# Altium PCB PCB1.PcbDoc (part 3 of 4) (continued)
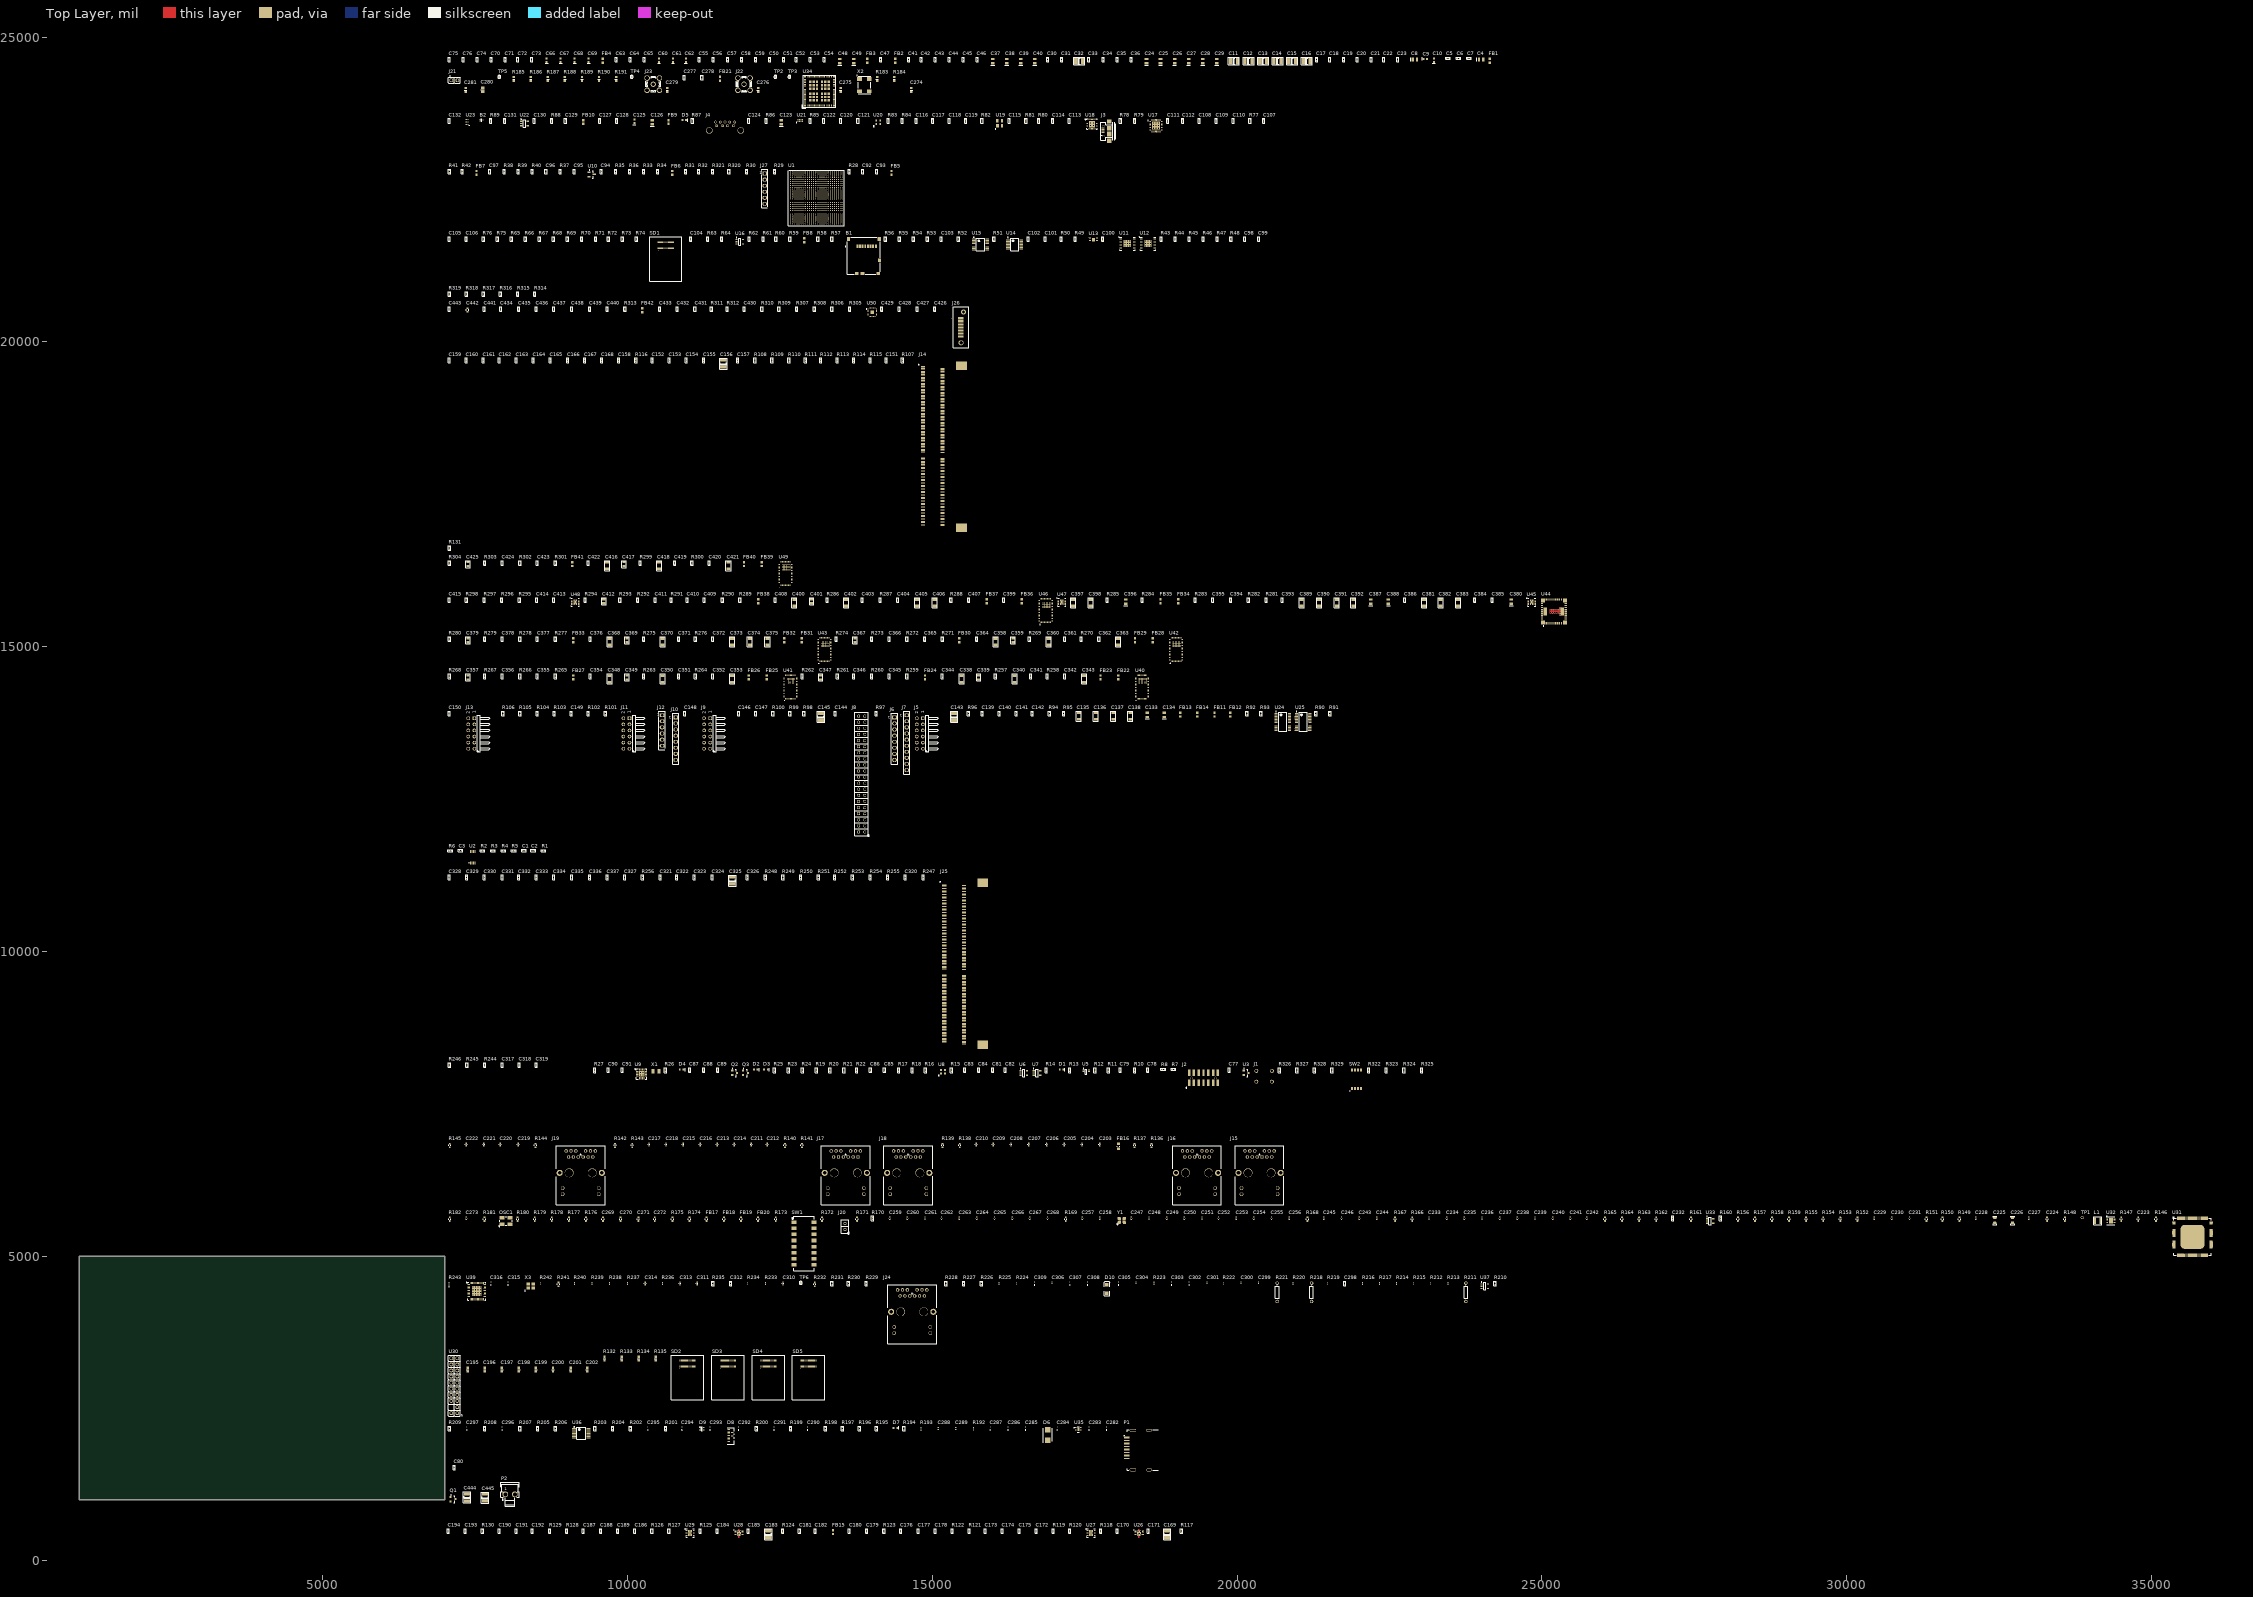
[diagram p0: Top Layer view]
## Part data
B1: library part "SD 502570-0893", "Micro SD card connector,SMT,push-push Micro SD card connector,SMT,push-push"
B2: library part "D TPD2EUSB30DRTR", "Texas Instruments TPD2EUSB30DRTR Dual Bi-Directional TVS Diode Array, 45W peak, 3-Pin SOT"
C1 C2 C44 C45 C46 C53 C59 C76 C77 C78 C80 C81 C82 C83 C84 C85 C86 C87 C88 C89 C92 C94 C98 C99 C100 C101 C102 C103 C104 C107 C108 C109 C110 C111 C112 C113 C114 C117 C119 C120 C121 C122 C124 C128 C129 C130 C131 C132 C139 C140 C141 C142 C151 C157 C158 C159 C160 C161 C162 C163 C164 C165 C166 C167 C168 C180 C194 C232 C298 C312 C317 C318 C319 C320 C326 C327 C328 C329 C330 C331 C332 C333 C334 C335 C336 C337 C344 C345 C346 C354 C355 C356 C364 C365 C366 C376 C377 C378 C384 C385 C408 C410 C411 C422 C423 C424 C426 C427 C428 C429 C434 C435 C436 C437 C438 C440: library part CAPCER0402X7R100N25V_10T, "CAP CER 0.1UF 25V X7R 0402"
C3 C115: library part CAPCER0402, "0402 Package Cap Footprint"
C4 C8 C24 C25 C26 C27 C28 C29 C37 C38 C39 C40 C48 C49 C123 C126 C133 C134 C380 C387 C388 C396: library part CAPELE0905TAN100U6V3_20T, "CAP TANT 100UF 6.3V 20% 0805"
C5 C17 C18 C19 C20 C21 C22 C23 C30 C31 C33 C34 C35 C36 C41 C42 C43 C47 C50 C51 C54 C55 C63 C64 C65 C70 C71 C72 C73 C74 C75 C127 C144 C146 C147 C148 C149 C150 C152 C153 C154 C155 C171 C173 C181 C182 C185 C187 C277 C278 C321 C322 C323 C324 C393 C407 C414: library part CAPCER0402X5R4U710V_10T, "CAP CER 4.7UF 10V X5R 0402"
C6 C7 C52 C57 C58 C93 C96: library part CAPCER0402X5R0U4710V_10T, "CAP CER 0.47UF 10V X5R 0402"
C9 C10 C60 C61 C62 C66 C67 C68 C69 C125: library part CAPELE0603TAN47U6V3_20T, "CAP TANT POLY 47UF 6.3V SMD"
C11 C12 C13 C14 C15 C16 C143 C145 C156 C169 C183 C325 C444 C445: library part CAPCER1210X5R100U16V_20T, "CAP CER 100UF 16V X5R 1210"
C32: library part CAPCER1210X5R220U6V3_20T, "CAP CER 220UF 6.3V X5R 1210"
C56 C116 C118 C172 C186 C386 C399 C413 C439: library part CAPCER0402X5R1U16V_20T, "CAP CER 1UF 16V X5R 0402"
C79 C90 C91 C342 C352 C362 C372 C404 C420: library part CAPCER0402C0G27P50V_5T, "CAP CER 27PF 50V C0G/NP0 0402"
C95: library part CAPCER0402X7R2700P50V_10T, "CAP CER 2700PF 50V X7R 0402"
C97 C105 C106 C174 C175 C176 C177 C178 C188 C189 C190 C191 C192 C341 C351 C361 C371 C403 C419: library part CAPCER0402X5R10U10V_20T, "CAP CER 10UF 10V X5R 0402"
C135 C136 C137 C138 C338 C340 C343 C348 C350 C353 C358 C360 C363 C368 C370 C373 C374 C375 C381 C382 C383 C389 C390 C391 C392 C397 C398 C400 C402 C405 C406 C416 C418 C421: library part CAPCER1206X5R47U25V_20T, "CAP CER 47UF 25V X5R 1206"
C170 C184: library part CAPCER0402X7R1000P50V_10T, "CAP CER 1000PF 50V X7R 0402"
C179 C193 C394 C395 C409 C415: library part CAPCER0402X7R22N50V_10T, "CAP CER 0.022UF 50V X7R 0402"
C195 C197 C199 C201 C274: library part CC0603_100NF_50V_10%_X7R, "Non-polarised capacitor"
C196 C198 C200 C202: library part CC0603_10NF_50V_10%_X7R, "Non-polarised capacitor"
C203 C204 C205 C206 C207 C208 C209 C210 C211 C212 C213 C214 C215 C216 C217 C218 C219 C220 C221 C222 C227 C230 C234 C235 C236 C237 C238 C239 C240 C241 C242 C243 C244 C245 C246 C247 C248 C249 C250 C251 C252 C253 C254 C255 C256 C260 C261 C262 C263 C264 C265 C266 C267 C268 C273 C310 C311 C313 C314: library part CAP1463, "Capacitor"
C223: library part CAP1288, "Capacitor"
C224: library part CAP0088, "Capacitor"
C225 C226: library part CAP0627, "Capacitor"
C228 C231 C233 C259: library part CAP1065, "Capacitor"
C229: library part CAP0278, "Capacitor"
C257 C258: library part CAP0608, "Capacitor"
C269 C270 C271 C272 C442: library part CAP0533, "Capacitor"
C275 C281: library part CC0603_1UF_25V_10%_X7R, "Non-polarised capacitor"
C276 C279: library part CC0603_10PF_50V_5%_NP0, "Non-polarised capacitor"
C280: library part CC0805_10UF_10V_10%_X7R, "Non-polarised capacitor"
C282 C283 C284 C285 C286 C287 C290 C291 C292 C293 C294 C295 C296 C297 C302 C303 C305 C307 C308 C309 C315 C316: "CAP CER 0.1UF 25V 10% X5R 0201"
C288 C289: library part "CAP 0402ZD106", "CAP CER 10UF 10V X5R 0402"
C299 C300 C301 C304 C306: "Multilayer Ceramic Capacitors MLCC - SMD/SMT 0201 2.2uF 10volts *Derate Voltage/Temp"
C339 C347 C349 C357 C359 C367 C369 C379 C401 C412 C417 C425: library part CAPCER0805X5R47N50V_10T, "CAP CER 0.047UF 50V X7R 0805"
C430 C431 C432 C433 C441 C443: library part CAPCER0402X7R10N50V_10T, "CAP CER 10000PF (10NF) 50V X7R 0402"
D1: "LED BLUE DIFFUSED 0603 SMD"
D2 D4 D5: "LED RED DIFFUSED 0603 SMD"
D3 D7: "LED GREEN DIFFUSED 0603 SMD"
D6: library part "D MBRS240LT3G", "DIODE SCHOTTKY 40V 2A SMB"
D8: "TVS DIODE 5.5VWM 15SON"
D9: library part "D TPD4E001DRLR", "Low-Capacitance 4-Channel +/-15-kV ESD Protection Array for High-Speed Data Interfaces"
D10: "Typical RED, GREEN, YELLOW, AMBER GaAs LED"
FB1 FB2 FB3 FB4 FB5 FB6 FB7 FB8 FB9 FB10 FB11 FB12 FB13 FB14 FB15 FB21 FB22 FB23 FB24 FB25 FB26 FB27 FB28 FB29 FB30 FB31 FB32 FB33 FB34 FB35 FB36 FB37 FB38 FB39 FB40 FB41 FB42: "FERRITE BEAD 220 OHM 0603 1LN"
FB16: library part IND1162
FB17 FB18 FB19 FB20: library part IND1313
J1: "SWITCH TACTILE SPST-NO 0.05A 24V"
J2: "CONN HEADER 14POS 2MM VERT SMD"
J3: "CONN RCPT USB MICRO B R/A SMT"
J4: "USB 3.0 RA REC TH TYPE A"
J5 J9 J11 J13: "CONN RCPT .100\" 12PS DL R/A TIN"
J6 J10: library part M20-7820842, "08-WAY SIL VERT SOCKET L/FREE"
J7: library part M20-7821046, "10-WAY SIL VERT SOCKET L/FREE"
J8: "CONN HEADER 40POS .100\" SGL GOLD"
J12 J27: library part M20-7820646, "06-WAY SIL VERT SOCKET L/FREE"
J14 J25: "DDR4 SODIMM 260P 5.2H STD"
J15 J16 J17 J18 J19 J24: library part "CON RJ-45 RJMG2012211A0FR", "CON RJ-45 RJMG2012211A0FR"
J20: library part "Header 1x2", "CONN HEADER 2POS .100\" SGL GOLD"
J21: library part COMATEL_385.0358.1.02.400, "2 Mini Wire-Wrap Contact Strip Header"
J22 J23: library part HUBER-SUHNER_82_SMA-50-0-41/133_NE
J26: "CONN HEADER 7POS VERT SMD 15GOLD"
L1: library part IND1027
OSC1: library part DSC1101B12-125.0000, "OSC MEMS 125.000MHZ CMOS SMD"
P1: "CONN RCPT 20POS UDI R/A SMD"
P2: "Connector 2 Male"
Q1 Q2 Q3: "MOSFET N-CH 50V 200MA SOT23-3"
R1 R7 R36 R40 R107 R116 R117 R118 R124 R125 R246 R247 R256 R262 R268 R274 R280 R294 R304: "RES SMD 100 OHM 1% 1/10W 0402"
R2 R3 R4 R5 R14 R18 R21 R22 R26 R51 R52 R53 R54 R56 R60 R61 R74 R84 R85 R88 R122 R123 R129 R130 R160 R210 R245 R282 R290 R298 R307 R308 R311 R312: "RES SMD 10K OHM 0.5% 1/16W 0402"
R6 R29 R32 R33 R34 R35 R39 R41 R76 R101 R102 R103 R104 R105 R106 R170 R244 R296 R310: "RES SMD 0402 Footprint"
R8 R10 R12 R16 R19 R20 R31 R43 R44 R45 R46 R47 R48 R55 R62 R64 R80 R94 R95 R97 R108 R109 R110 R111 R112 R113 R114 R115 R248 R249 R250 R251 R252 R253 R254 R255 R259 R265 R271 R277 R289 R301 R322 R323 R324 R325: "RES SMD 4.7K OHM 1% 1/10W 0402"
R11 R75 R314 R315 R316 R317 R318 R319: "RES SMD 22 OHM 1% 1/10W 0402"
R13 R23 R24 R25 R86 R131 R196: "RES SMD 240 OHM 1% 1/10W 0402"
R15 R83: "RES SMD 8.06K OHM 1% 1/10W 0402"
R17 R57 R82: "RES SMD 40.2 OHM 1% 1/10W 0402"
R27: "RES SMD 4.7M OHM 5% 1/16W 0402"
R28: "RES SMD 1K OHM 1% 1/10W 0402"
R30 R42 R58 R59 R77 R81 R89 R92 R93 R200 R235 R305 R309 R320 R321: "RES SMD 0 OHM JUMPER 1/10W 0402"
R37 R38: "RES SMD 20.5K OHM 1% 1/10W 0402"
R49 R50: "RES SMD 2K OHM 1% 1/16W 0402"
R63 R326 R327 R328 R329: "RES SMD 499 OHM 1% 1/16W 0402"
R65 R66 R67 R68 R69 R70 R71 R72 R73 R79 R291: "RES SMD 47K OHM 1% 1/10W 0402"
R78 R292: "RES SMD 24K OHM 1% 1/10W 0402"
R87: "RES SMD 191 OHM 1% 1/10W 0402"
R90 R91: "RES SMD 2.21K OHM 1% 1/10W 0402"
R96 R98 R99 R100 R198 R205 R207 R208 R226 R227 R228 R229 R230 R231 R297: "RES SMD 0 OHM JUMPER 1/16W 0402"
R119 R120 R126 R127 R199 R206 R209 R258 R261 R264 R267 R270 R273 R276 R279 R283 R287 R293 R300 R303: "RES SMD 100K OHM 1% 1/5W 0402"
R121 R128 R295: "RES SMD 40.2K OHM 1% 1/10W 0402"
R132 R133 R134 R135: library part R0603_51K_1%_0.1W_100PPM, "Resistor - 1%"
R136 R137 R138 R139 R140 R141 R142 R143 R144 R145 R232 R241: library part RSMT0166
R146: library part RSMT1021
R147 R156 R157 R158 R159 R162 R163 R164 R166 R180: library part RSMT0139
R148: library part RES1562
R149: library part RSMT0556
R150 R151 R152 R153 R154 R155 R167 R181: library part RSMT0454
R161: library part RES1665
R165 R172: library part RSMT0713
R168 R171 R182: library part RSMT0001
R169: library part RSMT0277
R173 R174 R175 R176 R177 R178 R179: library part RES1052
R183 R184: library part R0603_4K7_1%_0.1W_100PPM, "Resistor - 1%"
R185 R186 R187 R188 R189 R190 R191: library part R0603_10K_0.1%_0.063W_10PPM, "Resistor - 0.1%"
R192: "RES SMD 18.2K OHM 1% 1/16W 0402"
R193: "RES SMD 4.02K OHM 1% 1/16W 0402"
R194 R195: "RES SMD 1M OHM 1% 1/16W 0402"
R197: "RES SMD 10 OHM 1% 1/16W 0402"
R201: "RES SMD 2.49K OHM 1% 1/10W 0402"
R202: "RES SMD 1.5K OHM 1% 1/16W 0402"
R203 R204: "RES SMD 49.9 OHM 1% 1/16W 0402"
R211 R218 R221: "Resistor"
R212 R215 R216 R219 R220 R222 R225 R234: "RES 2.49K OHM 0201 1% 1/20W"
R213 R214 R217 R224 R233: "RES 5.76K OHM 0201 1% 1/20W"
R223: "VISHAY - CRCW0201240RFNED - RES, THICK FILM, 240R, 1%, 0.05W, 0201"
R236 R237 R238 R239 R240 R242: "RES 2.21K OHM 0201 1% 1/20W"
R243: "RES 11.0K OHM 0201 1% 1/20W"
R257 R263 R269 R275 R286 R299: "RES SMD 10 OHM 1% 1/10W 0402"
R260 R266: "RES SMD 165K OHM 1% 1/10W 0402"
R272 R278 R302: "RES SMD 750K OHM 1% 1/10W 0402"
R281: "RES SMD 26.1K OHM 1% 1/10W 0402"
R284: "RES SMD 316 OHM 1% 1/16W 0402"
R285: "RES SMD 90.9K OHM 1% 1/10W 0402"
R288: "RES SMD 14K OHM 1% 1/10W 0402"
R306: "RES SMD 500 OHM 0.1% 1/20W 0402"
R313: "RES SMD 2 OHM 1% 1/16W 0402"
SD1 SD2 SD3 SD4 SD5: "Connector, eMMC"
SW1: library part "Switch DIP 8 Pos", "Switch DIP SPST 8POS SMD"
SW2: "SWITCH SLIDE DIP SPST 25MA 24V"
TP1: library part "TEST PAD TH 51X36", "Test Pad TH 51X36"
TP2 TP3 TP4 TP5 TP6: library part "Test Point", "Test Point"
U1: "IC FPGA 252 I/O 784FCBGA - XILINX ZYNQ ULTRASCALE+"
U2: "IC REDRIVER I2C 1CH 8TSSOP"
U3: "DIODE SCHOTTKY 40V 500MA SOT23-3"
U5: "Single-Bit Dual-Supply Bus Transceiver with Configurable Voltage Translation and 3-State Outputs, DCK0006A, LARGE T&R"
U6 U7 U16 U22 U33 U37: "Single 2-Input Positive-AND Gate, DBV0005A, LARGE T&R"
U8: "OSC MEMS 33.333MHZ CMOS SMD"
U9: "IC SUPERVISORY CIRC DL 16TQFN"
U10: "IC VREF SERIES 1.25V SOT23-3"
U11 U12: "IC FLASH 256MBIT 108MHZ 8VPDFN"
U13: "IC EEPROM 2KBIT 1MHZ 8UDFN"
U14: "IC I2C SW 2CH W/RESET 14TSSOP"
U15: "IC I/O EXPANDER I2C 8B 16TSSOP"
U17 U19: "IC TXRX USB 2.0 FLEXPWR 32QFN"
U18: "Single-Chip USB to UART Bridge, 4 Dig I/O Pins, Internal Oscillator, 1024 Bytes EEPROM, -40 to 85 degC, 24-pin QFN"
U20: "OSC MEMS 24.000MHZ CMOS SMD"
U21: "IC SW CURR LIMIT HI SIDE 8-MSOP"
U23: "TVS DIODE 5.5VWM 14VC 10SON"
U24 U25: "Low-Voltage 16-Bit I2C and SMBus I/O Expander, 16 Outputs, 1.65 to 5.5 V, -40 to 85 degC, 24-pin TSSOP (PW), Green (RoHS & no Sb/Br)"
U26 U28: "IC SINK/SOURCE DDR REG 10-SON"
U27 U29 U45 U47 U48: "IC REG LINEAR POS ADJ 1A 10TDFN"
U30: "GC-TPM-rev-20"
U31: library part KSZ9477S_TQFP128, "IC, 7-Port Gigabit Ethernet Switch with 2 RGMII / MII / RMII Interfaces, TQFP128"
U32: "4MHz PWM 3A Buck Regulator with HyperLight Load and Power Good"
U34: "MODULE WIFI WILINK"
U35: "IC REG LDO ADJ 0.5A 8TDFN"
U36: "IC DRVR/RCVR3.3V LVDS HS 14TSSOP"
U39: "IC ETHERNET PHY 48VQFN"
U40 U41 U42 U43 U46 U49: "DC/DC CONVERTER 0.6-4.9V 29W"
U44: "DC/DC CONVERTER 0.6-5.5V 55W"
U50: "IC CLOCK GENERATOR 24LGA"
X1: "CRYSTAL 32.768KHZ 12.5PF SMD"
X2: library part "OSC_32.7688MHZ_RAKON_LF SPXO019203", "Oscillator 4 pins 1=E 2=GND 3=OUT 4=+Vs"
X3: "CRYSTAL 25.0000MHZ 18PF SMD"
Y1: "Crystal 25MHz 4 pins 3225"

## Via types
v1: diameter 19.68, hole 7.87, Top Layer to Bottom Layer, 119 vias
v2: diameter 23.62, hole 7.87, Top Layer to Bottom Layer, 96 vias
v3: diameter 23.62, hole 11.81, Top Layer to Bottom Layer, 14 vias
v4: diameter 19.68, hole 11.81, Top Layer to Bottom Layer, 10 vias

## Nets (pads, with @x,y where several pads share a name; then routed paths per layer and width w, separated by ;. In a path a pad name is that pad's centre, name@x,y a point inside that pad or via, vN(x,y) a via of type N, cw(c..) or ccw(c..) an arc to the next point about the centre after c; other vN are vias at no path point)
1V2_ETH: C224.2 C225.2 C226.2 C227.2 C259.2 C260.2 C261.2 C262.2 C263.2 C264.2 C265.2 C266.2 C267.2 C268.2 FB17.1 FB20.1 L1.2 R148.2 TP1.1 U31.11 U31.23 U31.45 U31.56 U31.66 U31.70 U31.87 U31.104 U31.110 U32.5
1V2OUT: L1.1 U32.1 U32.2
1V8_WL: C274.2 C275.2 C278.2 FB21.2 R185.2 R186.2 R187.2 R188.2 R189.2 R190.2 R191.2 U34.38 X2.1 X2.4
2V5_ETH: C414.2 FB18.1 FB19.1 R170.2 R295.2 U48.9 U48.10
3.3V_PGOOD: R283.1 R297.1 U42.38 U44.8
3V3_GPIO: C133.1 C136.2 C144.2 C145.2 C148.2 C149.2 C150.2 FB11.2 FB13.2 J5.11 J5.12 J8.1 J8.17 J9.11 J9.12 J11.11 J11.12 J13.11 J13.12 R96.1 R97.2 R98.2 R99.2
5V_GPIO: C134.1 C138.2 C143.2 FB12.2 FB14.2 J8.2 J8.4 R100.2
+1.0V: C299.1 C301.1 C303.2 C305.1 U39.6 U39.24 U39.31 U39.42
+2.5V: C304.2 C309.1 U39.3 U39.9
+3.3V: B1.4 C37.1 C41.1 C66.1 C67.1 C68.1 C70.1 C71.1 C72.1 C82.1 C86.1 C96.1 C103.1 C106.2 C111.2 C112.2 C116.1 C117.1 C118.1 C119.1 C121.1 C135.2 C139.2 C140.2 C141.2 C142.2 C169.2 C171.2 C172.2 C183.2 C185.2 C186.2 C195.2 C196.2 C197.2 C198.2 C199.2 C200.2 C201.2 C202.2 C223.2 C232.1 C254.2 C255.2 C256.2 C273.2 C280.1 C281.1 C292.2 C293.2 C294.2 C295.2 C338.2 C339.2 C348.2 C349.2 C358.2 C359.2 C368.2 C369.2 C386.2 C387.1 C388.1 C389.2 C390.2 C391.2 C392.2 C399.2 C400.2 C401.2 C413.2 C416.2 C417.2 D8.13 D8.15 D9.5 D9.6 FB11.1 FB13.1 J20.1 J21.1 OSC1.6 R19.1 R20.1 R23.1 R24.1 R25.2 R55.2 R62.2 R63.1 R80.1 R84.1 R86.1 R90.2 R91.2 R93.1 R94.2 R95.2 R119.2 R120.2 R122.2 R126.2 R127.2 R129.2 R132.2 R133.2 R134.2 R135.2 R136.2 R137.2 R138.2 R139.2 R140.2 R141.2 R142.2 R143.2 R144.2 R145.2 R146.2 R147.2 R160.2 R162.1 R163.1 R164.1 R165.1 R166.1 R180.2 R196.1 R201.2 R209.1 R223.1 R232.2 R241.2 R257.2 R261.2 R263.2 R267.2 R269.2 R273.2 R275.2 R279.2 R283.2 R286.2 R293.2 R296.2 R299.2 R303.2 SD1.22 SD1.23 SD2.20 SD2.21 SD2.22 SD2.23 SD3.20 SD3.21 SD3.22 SD3.23 SD4.20 SD4.21 SD4.22 SD4.23 SD5.20 SD5.21 SD5.22 SD5.23 SW1.16 U1.AA14 U1.AD13 U1.B12 U1.C15 U1.E11 U1.F14 U1.H20 U1.L19 U5.1 U9.1 U10.1 U17.20 U17.21 U18.5 U18.6 U18.7 U20.4 U24.2 U24.24 U25.2 U25.24 U26.10 U27.1 U27.2 U27.3 U28.10 U29.1 U29.2 U29.3 U30.9 U30.15 U31.61 U31.68 U31.99 U32.10 U32.11 U33.5 U36.14 U40.28 U40.29 U40.30 U40.31 U41.28 U41.29 U41.30 U41.31 U42.28 U42.29 U42.30 U42.31 U43.28 U43.29 U43.30 U43.31 U44.27 U44.34 U44.35 U44.36 U44.37 U44.38 U44.41 U45.1 U45.2 U45.3 U46.28 U46.29 U46.30 U46.31 U47.1 U47.2 U47.3 U48.1 U48.2 U48.3 U49.28 U49.29 U49.30 U49.31
+3.3VDP: C288.2 C289.2 C290.2 D6.1 P1.20 R192.2
+5.0V: C122.2 C285.2 C396.1 C398.2 FB34.2 FB35.2 U21.7 U35.1 U35.3
+MGTRAVCC: C55.1 C56.2 C57.2 C58.2 C59.2 C421.2 FB4.1 FB39.2 FB40.2 FB41.2
+MGTRAVCC_FB: C74.1 FB4.2 U1.B22 U1.D22
+MGTRAVTT: C75.1 C76.2 C393.2 FB2.1 R281.2 U45.9 U45.10
+MGTRAVTT_FB: C47.1 FB2.2 U1.A23 U1.C23 U1.D25 U1.E23
+PS_VBATT: C49.1 C54.1 U1.Y18
+SYSMON_VREF: R42.1 U10.2
+SYSMON_VREFP: C94.1 C97.2 R41.1 R42.2 U1.T13
+USB_5V0: C128.1 FB9.2 J4.1
+USB_OTG_VBUS: C113.1 R85.2 U17.22
+USB_VB: C123.1 C124.1 C125.1 C126.1 C127.2 FB9.1 R85.1 U21.6 U21.8
+VCC_PSDDR_PLL: C4.1 C5.1 C6.2 C7.2 FB1.2 U1.U16 U1.U18
+VCC_PSINTFP: C8.1 C9.1 C21.1 C24.1 C25.1 C26.1 C27.1 C30.1 C31.1 C373.2 C374.2 C375.2 FB31.2 FB32.2 FB33.2 U1.AA15 U1.AA16 U1.AA17 U1.AA18 U1.AA20 U1.AA21 U1.AB16 U1.K10 U1.L10 U1.L11 U1.L12 U1.M9 U1.M10 U1.M11 U1.M12 U1.V16 U1.V17 U1.V18 U1.W15 U1.W16 U1.W17 U1.Y15 U1.Y17 U1.Y19
+VCC_PSPLL: C38.1 C42.1 C407.2 R288.2 U1.T16 U1.T17 U1.T18 U47.9 U47.10
+VCCADC: C92.1 C93.1 FB5.1 U1.P12
+VCCAUX: C1.2 C10.1 C22.1 C23.1 C28.1 C29.1 C32.2 C33.1 C34.1 C35.1 C36.1 C69.1 C73.1 C81.1 C83.1 C84.1 C85.1 C98.1 C99.1 C100.1 C101.2 C102.1 C104.1 C105.2 C107.2 C110.2 C114.2 C132.1 C277.2 C298.1 C300.2 C302.1 C306.1 C307.1 C308.1 C405.2 C406.2 FB1.1 FB3.1 FB5.2 FB21.1 FB36.2 FB37.2 FB38.2 FB42.1 R2.2 R3.2 R8.1 R10.2 R12.2 R14.1 R15.2 R16.1 R21.1 R22.1 R26.1 R28.1 R33.1 R34.1 R43.1 R44.1 R45.1 R46.1 R47.1 R48.1 R49.2 R50.2 R51.1 R52.1 R53.1 R54.1 R56.1 R60.1 R61.2 R65.2 R66.2 R67.2 R68.2 R69.2 R70.2 R71.2 R72.2 R73.2 R74.2 R77.2 R88.2 R210.2 R211.2 R213.1 R214.2 R217.1 R218.2 R221.2 R224.2 R233.1 R236.1 R322.2 R323.2 R324.2 R325.2 SD1.20 SD1.21 U1.AB17 U1.AC10 U1.AE16 U1.AG12 U1.AG17 U1.D18 U1.G17 U1.M13 U1.M14 U1.M15 U1.M16 U1.M17 U1.N16 U1.P18 U1.U19 U1.U20 U1.V19 U1.W19 U2.1 U3.1 U5.6 U6.5 U7.5 U8.4 U11.8 U12.8 U13.8 U14.14 U15.16 U16.5 U17.8 U17.11 U17.14 U17.32 U22.5 U37.5 U39.13 U39.19 U39.30 U39.41 U39.48
+VCCINT: C11.2 C12.2 C13.2 C14.2 C15.2 C16.2 C17.2 C18.2 C19.2 C20.2 C363.2 FB28.2 FB29.2 FB30.2 R30.1 U1.N11 U1.N13 U1.N15 U1.P10 U1.P14 U1.P15 U1.R10 U1.R11 U1.R14 U1.T11 U1.T15 U1.U10 U1.U14 U1.U15 U1.V10 U1.V11 U1.V12 U1.V14
+VCCO_HP_64: C60.1 C61.1 C62.1 C63.1 C64.1 C65.1 C188.2 C189.2 C320.2 C321.2 C322.2 C323.2 C324.2 C325.2 C328.2 C329.2 C330.2 C331.2 C332.2 C333.2 C334.2 C335.2 C336.2 C337.2 C353.2 FB25.2 FB26.2 FB27.2 J25.111 J25.112 J25.117 J25.118 J25.123 J25.124 J25.129 J25.130 J25.135 J25.136 J25.141 J25.142 J25.147 J25.148 J25.153 J25.154 J25.159 J25.160 J25.163 R124.2 R245.2 R247.2 R253.2 R254.2 R255.2 U1.AC5 U1.AD8 U1.AG7 U1.B7 U1.D3 U1.E6 U1.H5 U1.J3 U1.L4 U28.2
+VCCO_PSADC: C48.1 C50.1 C51.1 C52.2 C53.2 FB3.2 U1.Y20
AGND: C395.1 R284.2 R285.2 U44.2 U44.23 U44.29
AVDDH2V5: C247.2 C248.2 C249.2 C250.2 C251.2 C252.2 C253.2 C271.2 FB19.2 U31.10 U31.22 U31.33 U31.44 U31.111 U31.122 U31.128
AVDDL1V2: C233.2 C234.2 C235.2 C236.2 C237.2 C238.2 C239.2 C240.2 C241.2 C242.2 C272.2 FB20.2 U31.3 U31.14 U31.19 U31.30 U31.36 U31.41 U31.114 U31.119 U31.124
BT_EN_SOC: R184.2 U1.AB10 U34.41
BT_HCI_CTS: U1.Y9 U34.51
BT_HCI_RTS: U1.AA8 U34.50
BT_HCI_RX: U1.W10 U34.53
BT_HCI_TX: U1.Y10 U34.52
CC_SCL: R309.1 U14.6
CC_SDA: R305.1 U14.5
DDR4_DIMM_PL_VDDQ_GOOD: R267.1 U41.39
DDR4_DIMM_VDDQ: C39.1 C40.1 C43.1 C44.2 C45.2 C46.2 C151.2 C152.2 C153.2 C154.2 C155.2 C156.2 C159.2 C160.2 C161.2 C162.2 C163.2 C164.2 C165.2 C166.2 C167.2 C168.2 C174.2 C175.2 C343.2 FB22.2 FB23.2 FB24.2 J14.111 J14.112 J14.117 J14.118 J14.123 J14.124 J14.129 J14.130 J14.135 J14.136 J14.141 J14.142 J14.147 J14.148 J14.153 J14.154 J14.159 J14.160 J14.163 R107.2 R113.2 R114.2 R115.2 R117.2 U1.AB22 U1.AD23 U1.AF24 U1.P23 U1.T24 U1.V25 U1.Y26 U26.2
DDR4_DIMM_VDDQ_GOOD: R261.1 U40.39
DDR4_SODIMM_A0: J14.144 U1.W28
DDR4_SODIMM_A1: J14.133 U1.Y28
DDR4_SODIMM_A2: J14.132 U1.AB28
DDR4_SODIMM_A3: J14.131 U1.AA28
DDR4_SODIMM_A4: J14.128 U1.Y27
DDR4_SODIMM_A5: J14.126 U1.AA27
DDR4_SODIMM_A6: J14.127 U1.Y22
DDR4_SODIMM_A7: J14.122 U1.AA23
DDR4_SODIMM_A8: J14.125 U1.AA22
DDR4_SODIMM_A9: J14.121 U1.AB23
DDR4_SODIMM_A10: J14.146 U1.AA25
DDR4_SODIMM_A11: J14.120 U1.AA26
DDR4_SODIMM_A12: J14.119 U1.AB25
DDR4_SODIMM_A13: J14.158 U1.AB26
DDR4_SODIMM_ACT_B: J14.114 U1.Y23
DDR4_SODIMM_ALERT_B: J14.116 U1.U25
DDR4_SODIMM_BA0: J14.150 U1.V23
DDR4_SODIMM_BA1: J14.145 U1.W22
DDR4_SODIMM_BG0: J14.115 U1.W24
DDR4_SODIMM_BG1: J14.113 U1.V22
DDR4_SODIMM_CAS_B: J14.156 U1.AC24
DDR4_SODIMM_CB0: J14.92 U1.T28
DDR4_SODIMM_CB1: J14.91 U1.R28
DDR4_SODIMM_CB2: J14.101 U1.P28
DDR4_SODIMM_CB3: J14.105 U1.P27
DDR4_SODIMM_CB4: J14.88 U1.P26
DDR4_SODIMM_CB5: J14.87 U1.R25
DDR4_SODIMM_CB6: J14.100 U1.P25
DDR4_SODIMM_CB7: J14.104 U1.T25
DDR4_SODIMM_CK0_C: J14.139 U1.W26
DDR4_SODIMM_CK0_T: J14.137 U1.W25
DDR4_SODIMM_CK1_C: J14.140 U1.Y25
DDR4_SODIMM_CK1_T: J14.138 U1.Y24
DDR4_SODIMM_CKE0: J14.109 R108.1 U1.V28
DDR4_SODIMM_CKE1: J14.110 R109.1 U1.V27
DDR4_SODIMM_CS0_B: J14.149 U1.W27
DDR4_SODIMM_CS1_B: J14.157 U1.V26
DDR4_SODIMM_CS2_B: J14.162 R115.1
DDR4_SODIMM_CS3_B: J14.165 R114.1
DDR4_SODIMM_DM0_B: J14.12 U1.AG20
DDR4_SODIMM_DM1_B: J14.33 U1.AE23
DDR4_SODIMM_DM2_B: J14.54 U1.AE25
DDR4_SODIMM_DM3_B: J14.75 U1.AE28
DDR4_SODIMM_DM4_B: J14.178 U1.R23
DDR4_SODIMM_DM5_B: J14.199 U1.H23
DDR4_SODIMM_DM6_B: J14.220 U1.L27
DDR4_SODIMM_DM7_B: J14.241 U1.H26
DDR4_SODIMM_DM8_B: J14.96 U1.T26
DDR4_SODIMM_DQ0: J14.8 U1.AD21
DDR4_SODIMM_DQ1: J14.7 U1.AE20
DDR4_SODIMM_DQ2: J14.20 U1.AD20
DDR4_SODIMM_DQ3: J14.21 U1.AF20
DDR4_SODIMM_DQ4: J14.4 U1.AH21
DDR4_SODIMM_DQ5: J14.3 U1.AH20
DDR4_SODIMM_DQ6: J14.16 U1.AH19
DDR4_SODIMM_DQ7: J14.17 U1.AG19
DDR4_SODIMM_DQ8: J14.28 U1.AF22
DDR4_SODIMM_DQ9: J14.29 U1.AH22
DDR4_SODIMM_DQ10: J14.41 U1.AE22
DDR4_SODIMM_DQ11: J14.42 U1.AD22
DDR4_SODIMM_DQ12: J14.24 U1.AH23
DDR4_SODIMM_DQ13: J14.25 U1.AH24
DDR4_SODIMM_DQ14: J14.38 U1.AE24
DDR4_SODIMM_DQ15: J14.37 U1.AG24
DDR4_SODIMM_DQ16: J14.50 U1.AC26
DDR4_SODIMM_DQ17: J14.49 U1.AD26
DDR4_SODIMM_DQ18: J14.62 U1.AD25
DDR4_SODIMM_DQ19: J14.63 U1.AD24
DDR4_SODIMM_DQ20: J14.46 U1.AG26
DDR4_SODIMM_DQ21: J14.45 U1.AH25
DDR4_SODIMM_DQ22: J14.58 U1.AH26
DDR4_SODIMM_DQ23: J14.59 U1.AG25
DDR4_SODIMM_DQ24: J14.70 U1.AH27
DDR4_SODIMM_DQ25: J14.71 U1.AH28
DDR4_SODIMM_DQ26: J14.83 U1.AF28
DDR4_SODIMM_DQ27: J14.84 U1.AG28
DDR4_SODIMM_DQ28: J14.66 U1.AC27
DDR4_SODIMM_DQ29: J14.67 U1.AD27
DDR4_SODIMM_DQ30: J14.79 U1.AD28
DDR4_SODIMM_DQ31: J14.80 U1.AC28
DDR4_SODIMM_DQ32: J14.174 U1.T22
DDR4_SODIMM_DQ33: J14.173 U1.R22
DDR4_SODIMM_DQ34: J14.187 U1.P22
DDR4_SODIMM_DQ35: J14.186 U1.N22
DDR4_SODIMM_DQ36: J14.170 U1.T23
DDR4_SODIMM_DQ37: J14.169 U1.P24
DDR4_SODIMM_DQ38: J14.183 U1.R24
DDR4_SODIMM_DQ39: J14.182 U1.N24
DDR4_SODIMM_DQ40: J14.195 U1.H24
DDR4_SODIMM_DQ41: J14.194 U1.J24
DDR4_SODIMM_DQ42: J14.207 U1.M24
DDR4_SODIMM_DQ43: J14.208 U1.K24
DDR4_SODIMM_DQ44: J14.191 U1.J22
DDR4_SODIMM_DQ45: J14.190 U1.H22
DDR4_SODIMM_DQ46: J14.203 U1.K22
DDR4_SODIMM_DQ47: J14.204 U1.L22
DDR4_SODIMM_DQ48: J14.216 U1.M25
DDR4_SODIMM_DQ49: J14.215 U1.M26
DDR4_SODIMM_DQ50: J14.228 U1.L25
DDR4_SODIMM_DQ51: J14.229 U1.L26
DDR4_SODIMM_DQ52: J14.211 U1.K28
DDR4_SODIMM_DQ53: J14.212 U1.L28
DDR4_SODIMM_DQ54: J14.224 U1.M28
DDR4_SODIMM_DQ55: J14.225 U1.N28
DDR4_SODIMM_DQ56: J14.237 U1.J28
DDR4_SODIMM_DQ57: J14.236 U1.K27
DDR4_SODIMM_DQ58: J14.249 U1.H28
DDR4_SODIMM_DQ59: J14.250 U1.H27
DDR4_SODIMM_DQ60: J14.232 U1.G26
DDR4_SODIMM_DQ61: J14.233 U1.G25
DDR4_SODIMM_DQ62: J14.245 U1.K25
DDR4_SODIMM_DQ63: J14.246 U1.J25
DDR4_SODIMM_DQS0_C: J14.11 U1.AG21
DDR4_SODIMM_DQS0_T: J14.13 U1.AF21
DDR4_SODIMM_DQS1_C: J14.32 U1.AG23
DDR4_SODIMM_DQS1_T: J14.34 U1.AF23
DDR4_SODIMM_DQS2_C: J14.53 U1.AF26
DDR4_SODIMM_DQS2_T: J14.55 U1.AF25
DDR4_SODIMM_DQS3_C: J14.74 U1.AF27
DDR4_SODIMM_DQS3_T: J14.76 U1.AE27
DDR4_SODIMM_DQS4_C: J14.177 U1.M23
DDR4_SODIMM_DQS4_T: J14.179 U1.N23
DDR4_SODIMM_DQS5_C: J14.198 U1.K23
DDR4_SODIMM_DQS5_T: J14.200 U1.L23
DDR4_SODIMM_DQS6_C: J14.219 U1.N27
DDR4_SODIMM_DQS6_T: J14.221 U1.N26
DDR4_SODIMM_DQS7_C: J14.240 U1.J27
DDR4_SODIMM_DQS7_T: J14.242 U1.J26
DDR4_SODIMM_DQS8_C: J14.95 U1.T27
DDR4_SODIMM_DQS8_T: J14.97 U1.R27
DDR4_SODIMM_EVENT_B: J14.134 R113.1
DDR4_SODIMM_ODT0: J14.155 U1.U28
DDR4_SODIMM_ODT1: J14.161 U1.U26
DDR4_SODIMM_PARITY: J14.143 U1.V24
DDR4_SODIMM_PL_A0: J25.144 U1.AB8
DDR4_SODIMM_PL_A1: J25.133 U1.AC8
DDR4_SODIMM_PL_A2: J25.132 U1.AD7
DDR4_SODIMM_PL_A3: J25.131 U1.AE7
DDR4_SODIMM_PL_A4: J25.128 U1.AB7
DDR4_SODIMM_PL_A5: J25.126 U1.AC7
DDR4_SODIMM_PL_A6: J25.127 U1.AB6
DDR4_SODIMM_PL_A7: J25.122 U1.AC6
DDR4_SODIMM_PL_A8: J25.125 U1.AG9
DDR4_SODIMM_PL_A9: J25.121 U1.AH9
DDR4_SODIMM_PL_A10: J25.146 U1.AF8
DDR4_SODIMM_PL_A11: J25.120 U1.AG8
DDR4_SODIMM_PL_A12: J25.119 U1.AH8
DDR4_SODIMM_PL_A13: J25.158 U1.AH7
DDR4_SODIMM_PL_ACT_B: J25.114 U1.AB2
DDR4_SODIMM_PL_ALERT_B: J25.116 R244.2 R245.1
DDR4_SODIMM_PL_BA0: J25.150 U1.AF5
DDR4_SODIMM_PL_BA1: J25.145 U1.AH6
DDR4_SODIMM_PL_BG0: J25.115 U1.AD5
DDR4_SODIMM_PL_BG1: J25.113 U1.AD4
DDR4_SODIMM_PL_CAS_B: J25.156 U1.AG5
DDR4_SODIMM_PL_CB0: J25.92 U1.C6
DDR4_SODIMM_PL_CB1: J25.91 U1.B6
DDR4_SODIMM_PL_CB2: J25.101 U1.A7
DDR4_SODIMM_PL_CB3: J25.105 U1.A6
DDR4_SODIMM_PL_CB4: J25.88 U1.A9
DDR4_SODIMM_PL_CB5: J25.87 U1.A8
DDR4_SODIMM_PL_CB6: J25.100 U1.C9
DDR4_SODIMM_PL_CB7: J25.104 U1.B9
DDR4_SODIMM_PL_CK0_C: J25.139 U1.AD9
DDR4_SODIMM_PL_CK0_T: J25.137 U1.AC9
DDR4_SODIMM_PL_CK1_C: J25.140 U1.AE8
DDR4_SODIMM_PL_CK1_T: J25.138 U1.AE9
DDR4_SODIMM_PL_CKE0: J25.109 R248.1 U1.AB4
DDR4_SODIMM_PL_CKE1: J25.110 R249.1 U1.AB3
DDR4_SODIMM_PL_CS0_B: J25.149 U1.AC4
DDR4_SODIMM_PL_CS1_B: J25.157 U1.AC3
DDR4_SODIMM_PL_CS2_B: J25.162 R255.1
DDR4_SODIMM_PL_CS3_B: J25.165 R254.1
DDR4_SODIMM_PL_DM0_B: J25.12 U1.AG4
DDR4_SODIMM_PL_DM1_B: J25.33 U1.W8
DDR4_SODIMM_PL_DM2_B: J25.54 U1.L1
DDR4_SODIMM_PL_DM3_B: J25.75 U1.L7
DDR4_SODIMM_PL_DM4_B: J25.178 U1.J5
DDR4_SODIMM_PL_DM5_B: J25.199 U1.G1
DDR4_SODIMM_PL_DM6_B: J25.220 U1.C1
DDR4_SODIMM_PL_DM7_B: J25.241 U1.D7
DDR4_SODIMM_PL_DM8_B: J25.96 U1.B5
DDR4_SODIMM_PL_DQ0: J25.8 U1.AG3
DDR4_SODIMM_PL_DQ1: J25.7 U1.AH3
DDR4_SODIMM_PL_DQ2: J25.20 U1.AE3
DDR4_SODIMM_PL_DQ3: J25.21 U1.AF3
DDR4_SODIMM_PL_DQ4: J25.4 U1.AH2
DDR4_SODIMM_PL_DQ5: J25.3 U1.AH1
DDR4_SODIMM_PL_DQ6: J25.16 U1.AF1
DDR4_SODIMM_PL_DQ7: J25.17 U1.AG1
DDR4_SODIMM_PL_DQ8: J25.28 U1.U9
DDR4_SODIMM_PL_DQ9: J25.29 U1.V9
DDR4_SODIMM_PL_DQ10: J25.41 U1.U8
DDR4_SODIMM_PL_DQ11: J25.42 U1.V8
DDR4_SODIMM_PL_DQ12: J25.24 U1.R7
DDR4_SODIMM_PL_DQ13: J25.25 U1.T7
DDR4_SODIMM_PL_DQ14: J25.38 U1.R6
DDR4_SODIMM_PL_DQ15: J25.37 U1.T6
DDR4_SODIMM_PL_DQ16: J25.50 U1.J1
DDR4_SODIMM_PL_DQ17: J25.49 U1.H1
DDR4_SODIMM_PL_DQ18: J25.62 U1.K2
DDR4_SODIMM_PL_DQ19: J25.63 U1.J2
DDR4_SODIMM_PL_DQ20: J25.46 U1.K4
DDR4_SODIMM_PL_DQ21: J25.45 U1.K3
DDR4_SODIMM_PL_DQ22: J25.58 U1.L3
DDR4_SODIMM_PL_DQ23: J25.59 U1.L2
DDR4_SODIMM_PL_DQ24: J25.70 U1.M6
DDR4_SODIMM_PL_DQ25: J25.71 U1.L5
DDR4_SODIMM_PL_DQ26: J25.83 U1.N7
DDR4_SODIMM_PL_DQ27: J25.84 U1.N6
DDR4_SODIMM_PL_DQ28: J25.66 U1.N9
DDR4_SODIMM_PL_DQ29: J25.67 U1.N8
DDR4_SODIMM_PL_DQ30: J25.79 U1.M8
DDR4_SODIMM_PL_DQ31: J25.80 U1.L8
DDR4_SODIMM_PL_DQ32: J25.174 U1.J6
DDR4_SODIMM_PL_DQ33: J25.173 U1.H6
DDR4_SODIMM_PL_DQ34: J25.187 U1.J7
DDR4_SODIMM_PL_DQ35: J25.186 U1.H7
DDR4_SODIMM_PL_DQ36: J25.170 U1.K9
DDR4_SODIMM_PL_DQ37: J25.169 U1.J9
DDR4_SODIMM_PL_DQ38: J25.183 U1.H9
DDR4_SODIMM_PL_DQ39: J25.182 U1.H8
DDR4_SODIMM_PL_DQ40: J25.195 U1.E1
DDR4_SODIMM_PL_DQ41: J25.194 U1.D1
DDR4_SODIMM_PL_DQ42: J25.207 U1.F2
DDR4_SODIMM_PL_DQ43: J25.208 U1.E2
DDR4_SODIMM_PL_DQ44: J25.191 U1.E4
DDR4_SODIMM_PL_DQ45: J25.190 U1.E3
DDR4_SODIMM_PL_DQ46: J25.203 U1.G5
DDR4_SODIMM_PL_DQ47: J25.204 U1.F5
DDR4_SODIMM_PL_DQ48: J25.216 U1.A2
DDR4_SODIMM_PL_DQ49: J25.215 U1.A1
DDR4_SODIMM_PL_DQ50: J25.228 U1.B3
DDR4_SODIMM_PL_DQ51: J25.229 U1.A3
DDR4_SODIMM_PL_DQ52: J25.211 U1.D4
DDR4_SODIMM_PL_DQ53: J25.212 U1.C4
DDR4_SODIMM_PL_DQ54: J25.224 U1.C3
DDR4_SODIMM_PL_DQ55: J25.225 U1.C2
DDR4_SODIMM_PL_DQ56: J25.237 U1.E5
DDR4_SODIMM_PL_DQ57: J25.236 U1.D5
DDR4_SODIMM_PL_DQ58: J25.249 U1.G6
DDR4_SODIMM_PL_DQ59: J25.250 U1.F6
DDR4_SODIMM_PL_DQ60: J25.232 U1.F8
DDR4_SODIMM_PL_DQ61: J25.233 U1.E8
DDR4_SODIMM_PL_DQ62: J25.245 U1.E9
DDR4_SODIMM_PL_DQ63: J25.246 U1.D9
DDR4_SODIMM_PL_DQS0_C: J25.11 U1.AF2
DDR4_SODIMM_PL_DQS0_T: J25.13 U1.AE2
DDR4_SODIMM_PL_DQS1_C: J25.32 U1.T8
DDR4_SODIMM_PL_DQS1_T: J25.34 U1.R8
DDR4_SODIMM_PL_DQS2_C: J25.53 U1.H3
DDR4_SODIMM_PL_DQS2_T: J25.55 U1.H4
DDR4_SODIMM_PL_DQS3_C: J25.74 U1.P6
DDR4_SODIMM_PL_DQS3_T: J25.76 U1.P7
DDR4_SODIMM_PL_DQS4_C: J25.177 U1.K7
DDR4_SODIMM_PL_DQS4_T: J25.179 U1.K8
DDR4_SODIMM_PL_DQS5_C: J25.198 U1.F3
DDR4_SODIMM_PL_DQS5_T: J25.200 U1.G3
DDR4_SODIMM_PL_DQS6_C: J25.219 U1.A4
DDR4_SODIMM_PL_DQS6_T: J25.221 U1.B4
DDR4_SODIMM_PL_DQS7_C: J25.240 U1.F7
DDR4_SODIMM_PL_DQS7_T: J25.242 U1.G8
DDR4_SODIMM_PL_DQS8_C: J25.95 U1.B8
DDR4_SODIMM_PL_DQS8_T: J25.97 U1.C8
DDR4_SODIMM_PL_EVENT_B: J25.134 R253.1
DDR4_SODIMM_PL_ODT0: J25.155 U1.AD2
DDR4_SODIMM_PL_ODT1: J25.161 U1.AD1
DDR4_SODIMM_PL_PARITY: J25.143 R246.1
DDR4_SODIMM_PL_RAS_B: J25.152 U1.AE5
DDR4_SODIMM_PL_RESET_B: J25.108 U1.AC2
DDR4_SODIMM_PL_SA0: J25.256 R252.1
DDR4_SODIMM_PL_SA1: J25.260 R251.1
DDR4_SODIMM_PL_SA2: J25.166 R250.1
DDR4_SODIMM_PL_SCL: J14.253 J25.253 R4.1 U2.7
DDR4_SODIMM_PL_SDA: J14.254 J25.254 R5.1 U2.6
DDR4_SODIMM_PL_VREF: C327.2 J25.164 R247.1 R256.2
DDR4_SODIMM_PL_WE_B: J25.151 U1.AG6
DDR4_SODIMM_RAS_B: J14.152 U1.AC23
DDR4_SODIMM_RESET_B: J14.108 U1.U23